# Altium PCB 1166V31.PcbDoc (part 5 of 7)
Units mil, origin at the board's own origin, x right, y up, seen from the top; angles counter-clockwise.
Board outline 6140.98 x 3937.01 mil, 8 copper layers (Top Layer, Layer 1, Layer 2, Layer 3, Layer 4, Layer 5, Layer 6, Bottom Layer), stack 63.002 mil thick; 647 components, 363 nets, 2300 pads, 1594 vias.
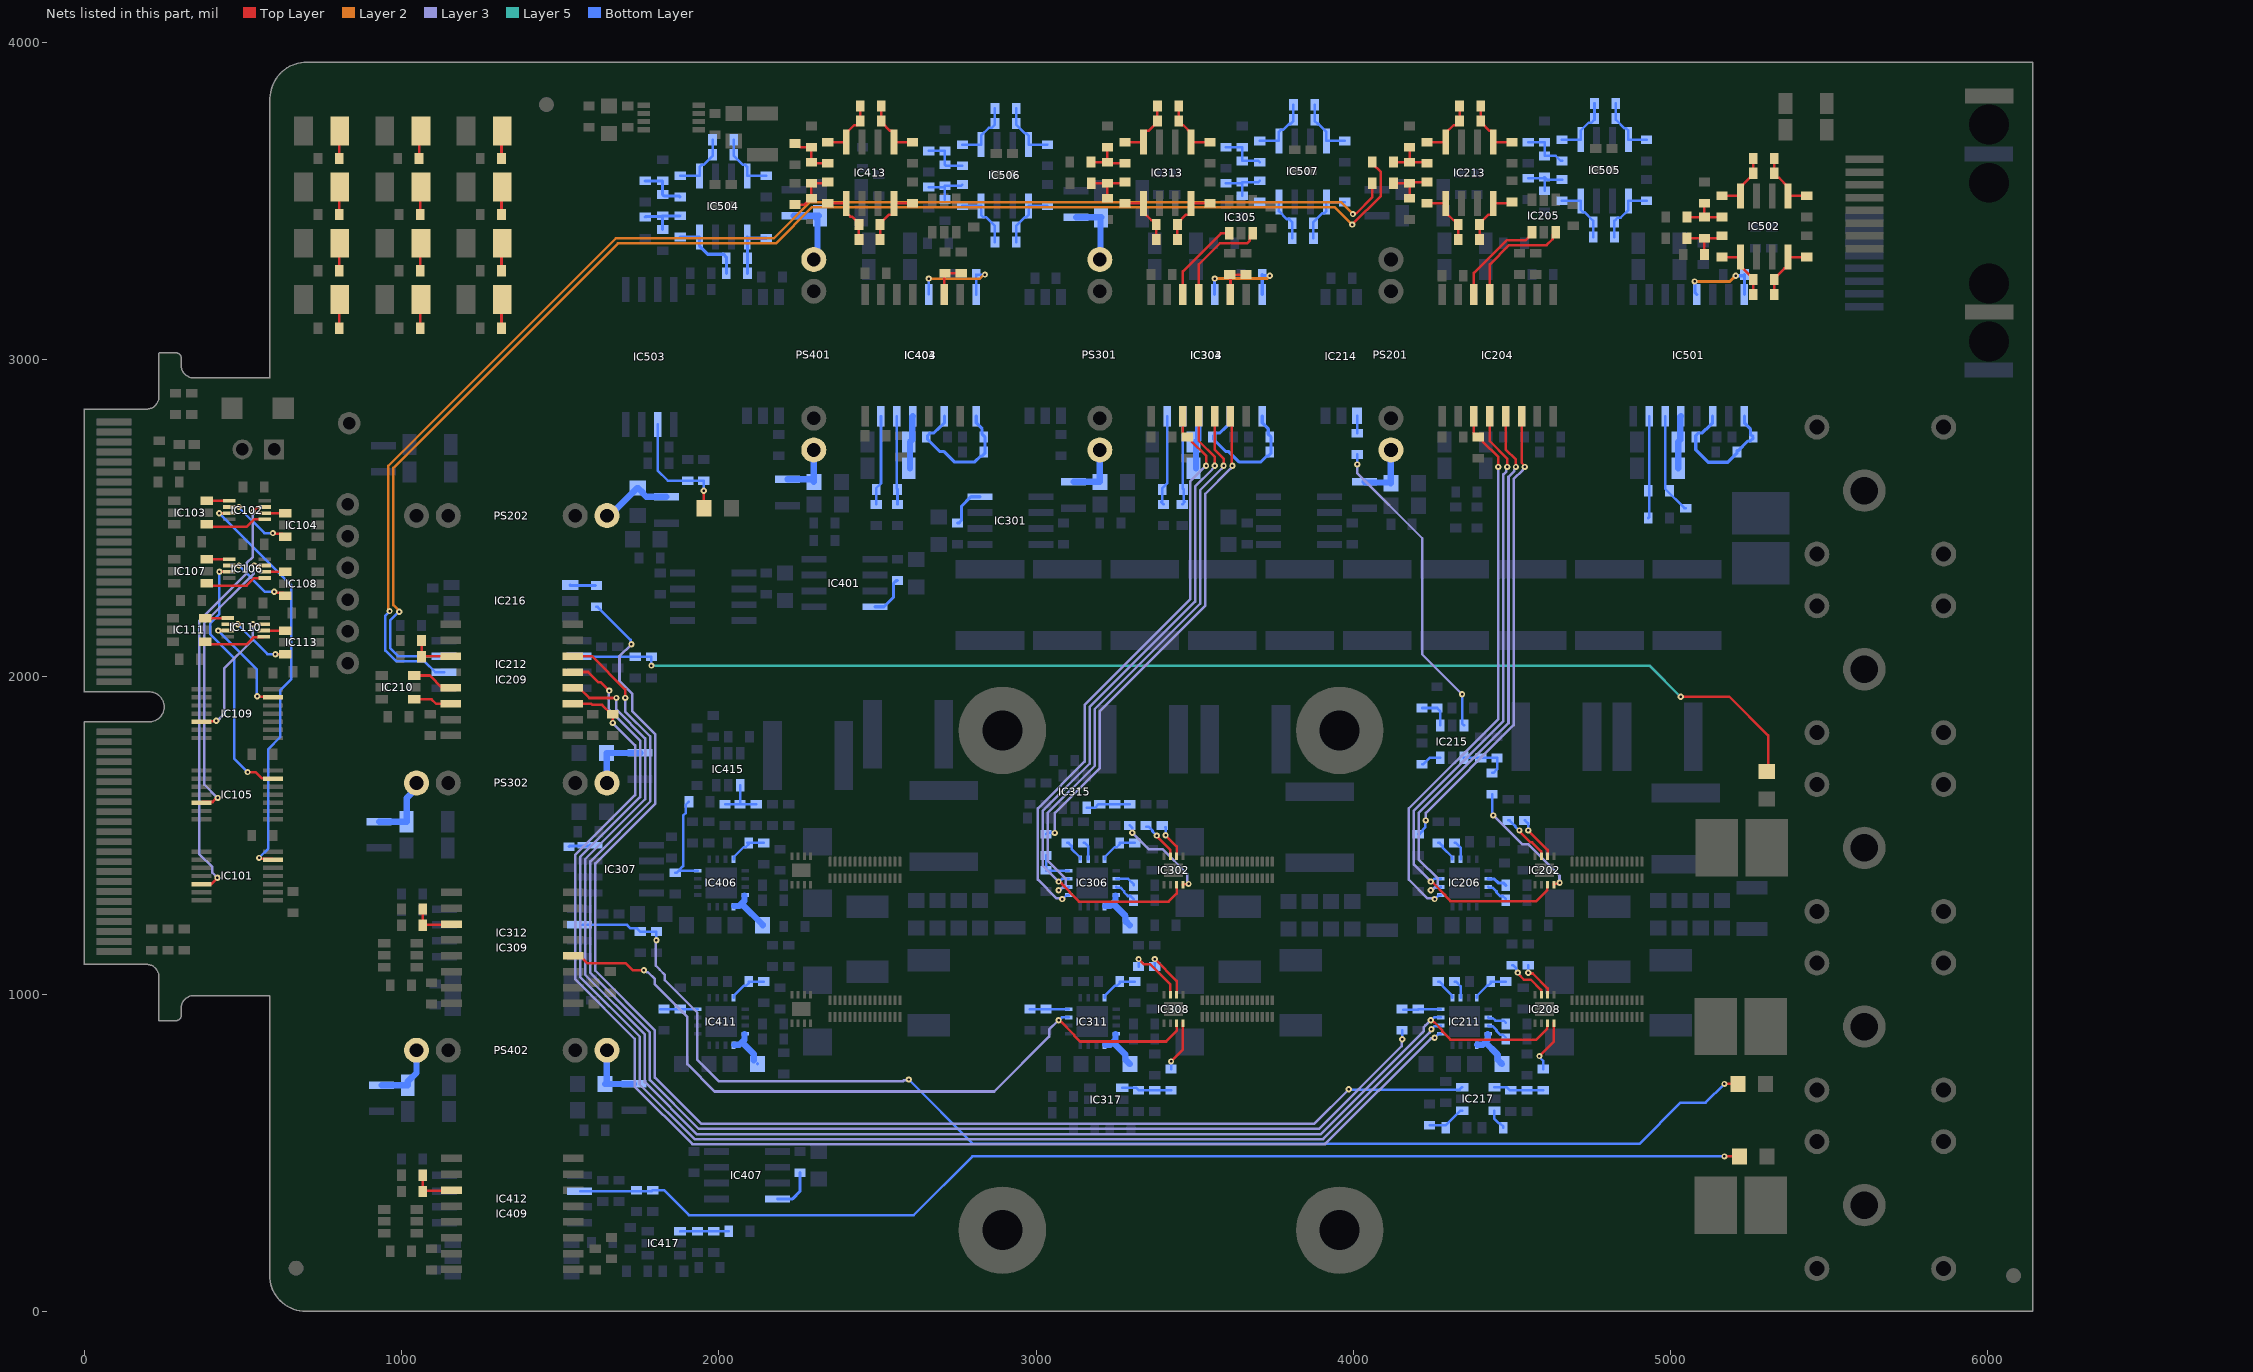
[diagram p11: the nets of this part, all layers, seen from the top]

## Via types
v1: diameter 19.68, hole 7.87, Top Layer to Bottom Layer, 1594 vias

## Nets (pads, with @x,y where several pads share a name; then routed paths per layer and width w, separated by ;. In a path a pad name is that pad's centre, name@x,y a point inside that pad or via, vN(x,y) a via of type N, cw(c..) or ccw(c..) an arc to the next point about the centre after c; other vN are vias at no path point) (continued)
NetC233_1: C233.1 IC211.12 IC211.13 | length 147.1
  Bottom Layer w20: IC211.13@4390.59,840.39 4407.32,840.39 4415.35,848.43 ; IC211.12@4423.39,873.19 4423.39,856.46 4415.35,848.43 ; 4452.76,811.02 4415.35,848.43 ; 4452.85,811.02 4454.88,808.99 4454.88,793.15 C233.1@4468.5,779.53
NetC234_2: C234.2 IC211.4 R225.1 | length 118.5
  Bottom Layer w8: R225.1@4157.48,950.79 C234.2@4204.72,950.79 ; C234.2@4204.72,952.76 4205.71,951.77 IC211.4@4275.59,951.77
NetC235_2: C235.2 IC209.11 R226.1 | length 144.5
  Top Layer w8: C235.2@1062.99,2114.17 R226.1@1062.99,2062.99 1064.96,2064.96 IC209.11@1155.51,2064.96
NetC236_1: C236.1 IC213.8 R227.1 R233.2 | length 196.4
  Top Layer w8: R233.2@4232.28,3685.04 IC213.8@4290.94,3685.04 4290.94,3713.58 4315.61,3738.25 4324.87,3738.25 4334.65,3748.03 R227.1@4334.65,3799.21
NetC236_2: C236.2 IC213.5 R227.2 R232.1 | length 192.4
  Top Layer w8: R227.2@4401.57,3799.21 C236.2@4401.57,3751.97 4401.57,3748.03 4429.2,3720.41 4434.12,3720.41 4440.94,3713.58 IC213.5@4440.94,3685.04 R232.1@4500,3685.04
NetC237_2: C237.2 IC211.8 R228.1 | length 118.5
  Bottom Layer w8: IC211.8@4388.78,988.19 4388.78,994.09 4420.34,1025.65 4423.29,1025.65 4433.07,1035.43 C237.2@4433.07,1039.37 R228.1@4480.32,1039.37
NetC238_1: C238.1 C239.2 R233.1 R234.2 | length 155.2
  Top Layer w8: R234.2@4125.98,3622.05 C239.2@4177.17,3622.05 ; C238.1@4177.17,3669.29 C239.2@4177.17,3622.05 ; R233.1@4232.28,3618.11 4228.35,3622.05 C239.2@4177.17,3622.05
NetC239_1: C239.1 C241.2 R237.1 R238.2 | length 155.2
  Top Layer w8: R238.2@4125.98,3555.12 C239.1@4177.17,3555.12 ; C241.2@4177.17,3507.87 C239.1@4177.17,3555.12 ; R237.1@4232.28,3559.06 4181.1,3559.06 C239.1@4177.17,3555.12
NetC240_2: C240.2 IC212.2 R235.1 R239.1 | length 3983
  Top Layer w8: v1(5031.5,1937.01) 5185.04,1937.01 5307.09,1814.96 5307.09,1704.72 R235.1@5303.15,1700.79
  Layer 5 w8: v1(1787.4,2035.43) 4933.07,2035.43 v1(5031.5,1937.01)
  Bottom Layer w8: IC212.2@1559.06,2064.17 1559.65,2063.58 R239.1@1787.4,2063.58 ; v1(1787.4,2035.43) R239.1@1787.4,2062.99
NetC242_1: C242.1 IC213.1 R237.2 R240.1 | length 192.4
  Top Layer w8: R237.2@4232.28,3492.13 IC213.1@4290.94,3492.13 4290.94,3463.58 4315.61,3438.91 4320.93,3438.91 4330.71,3429.13 C242.1@4330.71,3425.2 R240.1@4330.71,3377.95
NetC242_2: C242.2 IC213.4 R236.1 R240.2 | length 196.4
  Top Layer w8: R240.2@4397.64,3377.95 C242.2@4397.64,3425.2 4397.64,3429.13 4425.26,3456.76 4434.12,3456.76 4440.94,3463.58 IC213.4@4440.94,3492.13 R236.1@4500,3492.13
NetC243_2: C243.2 IC215.1 R243.2 R245.1 | length 160.5
  Bottom Layer w8: IC215.1@4348.52,1744.46 4348.89,1744.09 R243.2@4401.57,1744.09 C243.2@4452.76,1744.09 4452.76,1708.66 4440.94,1696.85 R245.1@4437.01,1696.85
NetC244_2: C244.2 IC217.1 R249.2 R251.1 | length 158
  Bottom Layer w8: IC217.1@4444.52,706.79 4482.18,706.79 4492.13,696.85 C244.2@4496.06,696.85 R249.2@4547.24,696.85 R251.1@4598.43,696.85
NetC307_2: C307.2 L301.2 PS301.1 | length 210.3
  Bottom Layer w20: L301.2@3125.98,3448.82 C307.2@3204.72,3448.82 3202.76,3446.85 3202.76,3320.87 PS301.1@3200.79,3318.9
NetC310_2: C310.2 IC301.4 | length 131.5
  Bottom Layer w10: C310.2@2751.97,2484.25 2755.91,2484.25 2764.69,2493.03 2764.69,2537.72 2794.29,2567.32 IC301.4@2822.83,2567.32
NetC312_2: C312.2 IC303.13 IC303.16 | length 316.4
  Top Layer w10: v1(3562.6,3255.05) v1@3562.99,3254.65
  Layer 2 w10: v1(3562.6,3255.05) 3727.49,3255.05 v1(3736.22,3263.78)
  Bottom Layer w10: IC303.13@3562.6,3204.72 v1(3562.6,3255.05) ; IC303.16@3712.6,3204.72 C312.2@3712.6,3267.72 3716.54,3263.78 v1(3736.22,3263.78)
NetC316_1: C316.1 IC306.12 IC306.13 | length 147.1
  Bottom Layer w20: IC306.13@3217.36,1277.4 3234.09,1277.4 3242.13,1285.43 ; IC306.12@3250.16,1310.2 3250.16,1293.46 3242.13,1285.43 ; C316.1@3295.28,1216.54 3281.65,1230.16 3281.65,1245.91 3242.13,1285.43
NetC317_2: C317.2 IC306.4 R311.1 | length 118.5
  Bottom Layer w8: R311.1@3031.5,1437.01 C317.2@3031.5,1389.76 3032.48,1388.78 IC306.4@3102.36,1388.78
NetC318_2: C318.2 IC304.11 R312.1 | length 115.2
  Top Layer w8: IC304.11@3612.6,3204.72 3612.6,3265.35 R312.1@3610.24,3267.72 C318.2@3661.42,3267.72
NetC319_1: C319.1 C320.1 C321.1 IC303.1 IC303.3 | length 452.2
  Bottom Layer w10: IC303.3@3612.6,2820.87 3612.6,2800.2 3591.93,2779.53 3590.55,2779.53 3579.65,2768.62 3567.83,2768.62 3559.06,2759.84 3559.06,2748.03 3596.91,2710.18 3606.1,2710.18 3639.11,2677.17 3708.66,2677.17 3727.44,2695.94 3731.38,2695.94 3740.16,2704.72 3740.16,2755.91 3731.38,2764.69 3731.38,2781.42 3712.6,2800.2 IC303.1@3712.6,2820.87
NetC322_1: C322.1 C323.1 IC303.5 | length 167
  Bottom Layer w20: C323.1@3503.94,2657.48 3503.94,2740.16 3510.79,2747.01 3510.79,2819.06 IC303.5@3512.6,2820.87
NetC324_1: C324.1 IC303.7 R318.2 | length 287
  Bottom Layer w8: R318.2@3393.7,2551.18 R318.2@3401.57,2543.31 ; R318.2@3397.64,2551.18 C324.1@3397.64,2590.55 3397.64,2594.49 3412.6,2609.45 IC303.7@3412.6,2820.87
NetC324_2: C324.2 IC303.6 R317.2 | length 281.8
  Bottom Layer w8: R317.2@3460.63,2543.31 R317.2@3468.5,2551.18 ; IC303.6@3462.6,2820.87 3462.6,2778.78 3462.41,2778.59 3462.41,2592.71 C324.2@3464.57,2590.55 R317.2@3464.57,2551.18
NetC325_2: C325.2 IC306.8 R313.1 | length 122.4
  Bottom Layer w8: IC306.8@3215.55,1425.2 3215.55,1431.1 3247.11,1462.66 3254,1462.66 3263.78,1472.44 C325.2@3263.78,1476.38 R313.1@3311.02,1476.38
NetC327_2: C327.2 L303.2 PS302.1 | length 221.7
  Bottom Layer w20: L303.2@929.13,1543.31 C327.2@1015.75,1543.31 1015.75,1617.96 1047.24,1649.46 PS302.1@1047.24,1665.35
NetC330_2: C330.2 IC307.4 | length 68.7
  Bottom Layer w10: C330.2@1527.56,1464.57 1529.72,1466.73 1592.32,1466.73 IC307.4@1594.49,1468.9
NetC333_1: C333.1 IC311.12 IC311.13 | length 147.1
  Bottom Layer w20: IC311.13@3217.36,840.39 3234.09,840.39 3242.13,848.43 ; IC311.12@3250.16,873.19 3250.16,856.46 3242.13,848.43 ; 3279.53,811.02 3242.13,848.43 ; 3279.62,811.02 3281.65,808.99 3281.65,793.15 C333.1@3295.28,779.53
NetC334_2: C334.2 IC311.4 R325.1 | length 122.5
  Bottom Layer w8: R325.1@2980.32,952.76 C334.2@3031.5,952.76 3032.48,951.77 IC311.4@3102.36,951.77
NetC335_2: C335.2 IC309.11 R326.1 | length 144.5
  Top Layer w8: C335.2@1066.93,1267.72 R326.1@1066.93,1216.54 1068.9,1218.5 IC309.11@1159.45,1218.5
NetC336_1: C336.1 IC313.8 R327.1 R333.2 | length 196.4
  Top Layer w8: R333.2@3279.92,3685.04 IC313.8@3338.58,3685.04 3338.58,3713.58 3345.41,3720.41 3354.66,3720.41 3382.28,3748.03 C336.1@3382.28,3751.97 R327.1@3382.28,3799.21
NetC336_2: C336.2 IC313.5 R327.2 R332.1 | length 192.4
  Top Layer w8: R327.2@3449.21,3799.21 C336.2@3449.21,3751.97 3449.21,3748.03 3458.99,3738.25 3463.91,3738.25 3488.58,3713.58 IC313.5@3488.58,3685.04 R332.1@3547.64,3685.04
NetC337_2: C337.2 IC311.8 R328.1 | length 122.4
  Bottom Layer w8: IC311.8@3215.55,988.19 3215.55,994.09 3247.11,1025.65 3254,1025.65 3263.78,1035.43 C337.2@3263.78,1039.37 R328.1@3311.02,1039.37
NetC338_1: C338.1 C339.2 R333.1 R334.2 | length 155.2
  Top Layer w8: R334.2@3173.23,3622.05 C339.2@3224.41,3622.05 ; C338.1@3224.8,3669.29 C339.2@3224.8,3622.05 3228.74,3618.11 R333.1@3279.92,3618.11
NetC339_1: C339.1 C341.2 R337.1 R338.2 | length 155.2
  Top Layer w8: R338.2@3173.62,3555.12 C339.1@3224.8,3555.12 ; C341.2@3224.8,3507.87 C339.1@3224.8,3555.12 ; R337.1@3279.92,3559.06 3275.98,3555.12 C339.1@3224.8,3555.12
NetC340_2: C340.2 IC312.2 R335.1 R339.1 | length 4181.5
  Top Layer w8: v1(5169.29,716.54) R335.1@5212.6,716.54
  Layer 3 w8: v1(1803.15,1169.29) 1800.99,1167.14 1800.99,1089.36 1813.71,1076.65 1813.71,1076.47 1830.13,1060.05 1830.13,1043.52 1932.61,941.04 1932.61,792.32 2000.15,724.79 2580.38,724.79 2583.98,728.39 2596.19,728.39 v1(2598.43,730.63)
  Bottom Layer w8: IC312.2@1562.99,1217.72 1711.09,1217.72 1722.18,1206.63 1742.19,1206.63 C340.2@1751.97,1196.85 R339.1@1803.15,1196.85 v1(1803.15,1169.29) ; v1(2598.43,730.63) 2801.5,527.56 4901.57,527.56 5031.5,657.48 5110.24,657.48 v1(5169.29,716.54)
NetC342_1: C342.1 IC313.1 R337.2 R340.1 | length 192.4
  Top Layer w8: R337.2@3279.92,3492.13 IC313.1@3338.58,3492.13 3338.58,3463.58 3363.25,3438.91 3368.57,3438.91 3378.35,3429.13 C342.1@3378.35,3425.2 R340.1@3378.35,3377.95
NetC342_2: C342.2 IC313.4 R336.1 R340.2 | length 196.4
  Top Layer w8: R340.2@3445.28,3377.95 C342.2@3445.28,3425.2 3445.28,3429.13 3472.9,3456.76 3481.76,3456.76 3488.58,3463.58 IC313.4@3488.58,3492.13 R336.1@3547.64,3492.13
NetC343_2: C343.2 IC315.1 R343.2 R345.1 | length 140.5
  Bottom Layer w8: IC315.1@3159.55,1586.98 3185.4,1586.98 3196.85,1598.43 R343.2@3200.79,1598.43 C343.2@3248.03,1598.43 R345.1@3295.28,1598.43
NetC344_2: C344.2 IC317.1 R349.2 R351.1 | length 156.8
  Bottom Layer w8: IC317.1@3271.65,704.72 3314.96,704.72 C344.2@3322.83,696.85 R349.2@3374.02,696.85 R351.1@3425.2,696.85
NetC407_2: C407.2 L401.2 PS401.1 | length 215.2
  Bottom Layer w20: L401.2@2236.22,3452.76 C407.2@2311.02,3452.76 ; PS401.1@2299.21,3318.9 PS401.1@2307.09,3326.77 ; C407.2@2307.09,3444.88 2311.02,3448.82 C407.2@2314.96,3452.76 ; PS401.1@2311.02,3326.77 C407.2@2311.02,3444.88
NetC410_2: C410.2 IC401.4 | length 131.1
  Bottom Layer w10: IC401.4@2492.13,2220.47 2520.67,2220.47 2550.28,2250.08 2550.28,2294.37 2559.06,2303.15 C410.2@2562.99,2303.15
NetC412_2: C412.2 IC403.13 IC403.16 | length 323.1
  Layer 2 w8: v1(2661.54,3255.17) 2822.88,3255.17 2835.42,3267.72 v1(2838.58,3267.72)
  Bottom Layer w8: IC403.13@2661.28,3204.98 2661.28,3254.91 v1(2661.54,3255.17) ; IC403.16@2811.02,3204.72 C412.2@2811.02,3267.72 v1(2838.58,3267.72)
NetC416_1: C416.1 IC406.12 IC406.13 | length 168.6
  Bottom Layer w10: C416.1@2126.08,1228.25 C416.1@2137.8,1216.54
  Bottom Layer w20: IC406.13@2048.07,1277.4 2064.8,1277.4 2072.83,1285.43 ; IC406.12@2080.87,1310.2 2080.87,1293.46 2072.83,1285.43 ; C416.1@2137.8,1216.54 2137.8,1218.5 2072.83,1283.46 2072.83,1285.43
NetC417_2: C417.2 IC406.4 R411.1 | length 303.7
  Bottom Layer w8: C417.2@1862.2,1381.89 1866.14,1381.89 1887.61,1403.35 1887.61,1562.06 1895.73,1570.18 1895.73,1596.52 R411.1@1905.51,1606.3 ; C417.2@1874.02,1388.78 IC406.4@1933.07,1388.78
NetC418_2: C418.2 IC404.11 R412.1 | length 118.8
  Top Layer w8: IC404.11@2711.02,3204.72 2711.02,3270.08 R412.1@2712.6,3271.65 C418.2@2763.78,3271.65
NetC419_1: C419.1 C420.1 C421.1 IC403.1 IC403.3 | length 452.2
  Bottom Layer w10: IC403.3@2711.02,2820.87 2711.02,2800.2 2690.35,2779.53 2688.98,2779.53 2678.07,2768.62 2666.26,2768.62 2657.48,2759.84 2657.48,2748.03 2695.33,2710.18 2708.46,2710.18 2741.47,2677.17 2807.09,2677.17 2825.87,2695.94 2829.8,2695.94 2838.58,2704.72 2838.58,2755.91 2829.8,2764.69 2829.8,2781.42 2811.02,2800.2 IC403.1@2811.02,2820.87
NetC422_1: C422.1 C423.1 IC403.5 | length 167
  Bottom Layer w20: C423.1@2602.36,2657.48 2602.36,2740.16 2609.21,2747.01 2609.21,2819.06 IC403.5@2611.02,2820.87
NetC424_1: C424.1 IC403.7 R418.2 | length 283.8
  Bottom Layer w8: R418.2@2496.06,2543.31 C424.1@2496.06,2590.55 2496.06,2594.49 2511.02,2609.45 IC403.7@2511.02,2820.87
NetC424_2: C424.2 IC403.6 R417.2 | length 278.4
  Bottom Layer w8: IC403.6@2561.02,2820.87 2561.02,2592.52 C424.2@2562.99,2590.55 R417.2@2562.99,2543.31
NetC425_2: C425.2 IC406.8 R413.1 | length 143.8
  Bottom Layer w8: IC406.8@2046.26,1425.2 2046.26,1431.1 2077.82,1462.66 C425.2@2083.72,1462.66 ; C425.2@2089.57,1476.38 C425.2@2094.49,1476.38 C425.2@2094.49,1473.42 ; R413.1@2141.73,1476.38 2097.44,1476.38 C425.2@2094.49,1473.42 ; C425.2@2083.72,1462.66 2084.71,1462.66 2094.49,1472.44 C425.2@2094.49,1473.42 ; C425.2@2083.72,1462.66 C425.2@2094.49,1473.42
NetC427_2: C427.2 L403.2 PS402.1 | length 204.3
  Bottom Layer w20: L403.2@937.01,712.6 C427.2@1019.69,712.6 1019.69,724.41 1047.24,751.97 PS402.1@1047.24,822.83
NetC430_2: C430.2 IC407.4 | length 139.9
  Bottom Layer w10: IC407.4@2185.04,353.94 2185.43,354.33 2232.28,354.33 2255.91,377.95 C430.2@2255.91,437.01
NetC433_1: C433.1 IC411.12 IC411.13 | length 130.8
  Bottom Layer w10: C433.1@2122.05,779.53 C433.1@2122.05,781.5
  Bottom Layer w20: IC411.13@2048.07,840.39 2064.8,840.39 2072.83,848.43 ; IC411.12@2080.87,873.19 2080.87,856.46 2072.83,848.43 ; 2110.24,811.02 2072.83,848.43 ; C433.1@2110.33,791.24 2110.33,811.02
NetC434_2: C434.2 IC411.4 R425.1 | length 118.5
  Bottom Layer w8: R425.1@1814.96,952.76 1862.2,952.76 1863.19,951.77 IC411.4@1933.07,951.77
NetC435_2: C435.2 IC409.11 R426.1 | length 144.5
  Top Layer w8: C435.2@1066.93,429.13 R426.1@1066.93,377.95 1068.9,379.92 IC409.11@1159.45,379.92
NetC436_1: C436.1 IC413.8 R427.1 R433.2 | length 196.4
  Top Layer w8: R433.2@2342.91,3685.04 IC413.8@2401.57,3685.04 2401.57,3713.58 2426.24,3738.25 2435.5,3738.25 2445.28,3748.03 C436.1@2445.28,3751.97 R427.1@2445.28,3799.21
NetC436_2: C436.2 IC413.5 R427.2 R432.1 | length 192.4
  Top Layer w8: R427.2@2512.2,3799.21 C436.2@2512.2,3751.97 2512.2,3748.03 2539.83,3720.41 2544.75,3720.41 2551.57,3713.58 IC413.5@2551.57,3685.04 R432.1@2610.63,3685.04
NetC437_2: C437.2 IC411.8 R428.1 | length 122.4
  Bottom Layer w8: IC411.8@2046.26,988.19 2046.26,994.09 2077.82,1025.65 2084.71,1025.65 2094.49,1035.43 C437.2@2094.49,1039.37 R428.1@2141.73,1039.37
NetC438_1: C438.1 C439.2 R433.1 R434.2 | length 156.5
  Top Layer w8: R434.2@2240.16,3681.1 2244.09,3681.1 2255.91,3669.29 C438.1@2291.73,3669.29 C439.2@2291.73,3622.05 2295.67,3618.11 R433.1@2342.91,3618.11
NetC439_1: C439.1 C441.2 R437.1 R438.2 | length 160.8
  Top Layer w8: R438.2@2240.16,3488.19 2269.87,3488.19 2278.02,3496.33 2278.02,3498.09 2287.8,3507.87 C441.2@2291.73,3507.87 C439.1@2291.73,3555.12 2338.98,3555.12 R437.1@2342.91,3559.06
NetC440_2: C440.2 IC412.2 R435.1 R439.1 | length 3763.9
  Top Layer w8: v1(5169.29,488.19) R435.1@5216.54,488.19
  Bottom Layer w8: IC412.2@1562.99,379.13 1788.58,379.13 R439.1@1791.34,381.89 1826.77,381.89 1905.51,303.15 2614.17,303.15 2799.21,488.19 v1(5169.29,488.19)
NetC442_1: C442.1 IC413.1 R437.2 R440.1 | length 192.4
  Top Layer w8: R437.2@2342.91,3492.13 IC413.1@2401.57,3492.13 2401.57,3463.58 2414.93,3450.23 2420.25,3450.23 2441.34,3429.13 C442.1@2441.34,3425.2 R440.1@2441.34,3377.95
NetC442_2: C442.2 IC413.4 R436.1 R440.2 | length 196.4
  Top Layer w8: R440.2@2508.27,3377.95 C442.2@2508.27,3425.2 2508.27,3429.13 2535.89,3456.76 2544.75,3456.76 2551.57,3463.58 IC413.4@2551.57,3492.13 R436.1@2610.63,3492.13
NetC443_2: C443.2 IC415.1 R443.2 R445.1 | length 157.5
  Bottom Layer w8: C443.2@2019.69,1598.43 R443.2@2066.93,1598.43 ; IC415.1@2066.93,1657.48 R443.2@2066.93,1598.43 ; R445.1@2118.11,1598.43 R443.2@2066.93,1598.43
NetC444_2: C444.2 IC417.1 R449.2 R451.1 | length 154
  Bottom Layer w8: IC417.1@1877.59,252.17 1877.79,251.97 C444.2@1933.07,251.97 R449.2@1984.25,251.97 R451.1@2031.5,251.97
NetC501_1: C501.1 IC502.8 R501.1 R504.2 | length 194
  Top Layer w8: R504.2@5161.42,3515.75 IC502.8@5220.08,3515.75 5220.08,3544.29 5226.91,3551.12 5228.28,3551.12 5259.84,3582.68 C501.1@5259.84,3586.61 R501.1@5259.84,3633.86
NetC501_2: C501.2 IC502.5 R501.2 R503.1 | length 198
  Top Layer w8: R501.2@5326.77,3633.86 C501.2@5326.77,3586.61 5326.77,3582.68 5336.55,3572.9 5341.47,3572.9 5370.08,3544.29 IC502.5@5370.08,3515.75 R503.1@5429.13,3515.75
NetC502_2: C502.2 IC501.13 IC501.16 | length 276
  Top Layer w10: v1@5073.3,3247.98 v1(5075.16,3246.12)
  Layer 2 w10: v1(5075.16,3246.12) 5187.07,3246.12 v1(5204.72,3263.78)
  Bottom Layer w10: v1(5075.16,3246.12) 5077.01,3244.27 5077.01,3210 IC501.13@5082.28,3204.72 ; v1(5204.72,3263.78) 5228.35,3263.78 C502.2@5232.28,3267.72 IC501.16@5232.28,3204.72
NetC503_1: C503.1 C504.2 R504.1 R505.2 | length 153.5
  Top Layer w8: R505.2@5051.18,3448.82 C504.2@5106.3,3448.82 ; C503.1@5106.3,3492.13 C504.2@5106.3,3448.82 ; R504.1@5161.42,3448.82 C504.2@5106.3,3448.82
NetC504_1: C504.1 C507.2 R507.1 R508.2 | length 156.8
  Top Layer w8: R508.2@5051.18,3381.89 C504.1@5106.3,3381.89 ; C507.2@5106.3,3338.58 C504.1@5106.3,3381.89 ; R507.1@5161.42,3389.76 5153.54,3381.89 C504.1@5106.3,3381.89
NetC508_1: C508.1 IC502.1 R507.2 R509.1 | length 194
  Top Layer w8: R507.2@5161.42,3322.83 IC502.1@5220.08,3322.83 5220.08,3294.29 5248.69,3265.69 5250.06,3265.69 5259.84,3255.91 C508.1@5259.84,3251.97 R509.1@5259.84,3204.72
NetC508_2: C508.2 IC502.4 R506.1 R509.2 | length 198
  Top Layer w8: R509.2@5326.77,3204.72 C508.2@5326.77,3251.97 5326.77,3255.91 5358.33,3287.46 5363.25,3287.46 5370.08,3294.29 IC502.4@5370.08,3322.83 R506.1@5429.13,3322.83
NetC509_1: C509.1 IC504.8 R510.1 R513.2 | length 239.7
  Bottom Layer w10: R513.2@1877.95,3385.83 IC504.8@1939.37,3385.83 1939.37,3357.28 1965.04,3331.61 2014.84,3331.61 2023.62,3322.83 C509.1@2023.62,3318.9 R510.1@2023.62,3271.65
NetC509_2: C509.2 IC504.5 R510.2 R512.1 | length 175.7
  Bottom Layer w10: IC504.5@2089.37,3385.83 IC504.5@2089.96,3385.24 ; R510.2@2090.55,3271.65 2089.96,3272.24 IC504.5@2089.96,3385.24 ; R512.1@2149.61,3381.89 2093.31,3381.89 IC504.5@2089.96,3385.24
NetC510_1: C510.1 C511.1 C512.1 IC501.1 IC501.3 | length 445.2
  Bottom Layer w10: IC501.3@5132.28,2820.87 5132.28,2800.2 5111.61,2779.53 5110.24,2779.53 5099.33,2768.62 5087.52,2768.62 5078.74,2759.84 C510.1@5078.74,2755.91 5078.74,2715.5 5118.3,2675.94 5179.88,2675.94 5208.66,2704.72 C512.1@5208.66,2708.66 C512.1@5208.66,2712.6 ; C512.1@5212.6,2712.6 5243.19,2743.19 5251.06,2743.19 5259.84,2751.97 C511.1@5259.84,2755.91 5251.06,2764.69 5251.06,2781.42 5232.28,2800.2 IC501.1@5232.28,2820.87
NetC513_1: C513.1 C514.1 IC501.5 | length 167
  Bottom Layer w20: C514.1@5023.62,2657.48 C513.1@5023.62,2740.16 5030.47,2747.01 5030.47,2819.06 IC501.5@5032.28,2820.87
NetC515_1: C515.1 IC501.7 R516.2 | length 322.2
  Bottom Layer w8: R516.2@4929.13,2500 4932.28,2503.15 IC501.7@4932.28,2820.87
NetC515_2: C515.2 IC501.6 R515.2 | length 318.6
  Bottom Layer w8: IC501.6@4982.28,2820.87 4982.28,2592.52 5043.31,2531.5 R515.2@5047.24,2531.5
NetC516_1: C516.1 C517.2 R513.1 R514.2 | length 155.2
  Bottom Layer w10: R514.2@1767.72,3448.82 1769.69,3450.79 1820.87,3450.79 C517.2@1822.83,3452.76 ; C516.1@1822.83,3409.45 C517.2@1822.83,3452.76 ; R513.1@1877.95,3452.76 C517.2@1822.83,3452.76
NetC517_1: C517.1 C519.2 R519.1 R520.2 | length 156.8
  Bottom Layer w10: R520.2@1767.72,3562.99 C519.2@1822.83,3562.99 C517.1@1822.83,3519.69 1826.77,3515.75 1874.02,3515.75 R519.1@1877.95,3511.81
NetC518_2: C518.2 IC503.2 R511.1 R521.1 | length 390.8
  Top Layer w8: R511.1@1952.76,2531.5 v1(1952.76,2586.61)
  Bottom Layer w8: IC503.2@1807.09,2795.28 1807.09,2649.99 1838.97,2618.11 C518.2@1952.76,2618.11 v1(1952.76,2586.61)
NetC520_1: C520.1 IC504.1 R519.2 R522.1 | length 196.4
  Bottom Layer w8: R519.2@1877.95,3578.74 IC504.1@1939.37,3578.74 1939.37,3607.28 1946.2,3614.11 1952.69,3614.11 1980.32,3641.73 C520.1@1980.32,3645.67 R522.1@1980.32,3692.91
NetC520_2: C520.2 IC504.4 R518.1 R522.2 | length 196.4
  Bottom Layer w8: R522.2@2047.24,3692.91 C520.2@2047.24,3645.67 2047.24,3641.73 2074.87,3614.11 2082.54,3614.11 2089.37,3607.28 IC504.4@2089.37,3578.74 R518.1@2149.61,3578.74
NetC528_1: C528.1 IC505.8 R523.1 R525.2 | length 192.4
  Bottom Layer w8: R525.2@4657.48,3500 IC505.8@4716.54,3500 4716.54,3471.46 4723.36,3464.63 4728.28,3464.63 4755.91,3437.01 C528.1@4755.91,3433.07 R523.1@4755.91,3385.83